# Altium PCB GT502W_V4_GPS_GT101.PcbDoc (part 2 of 2) (continued)
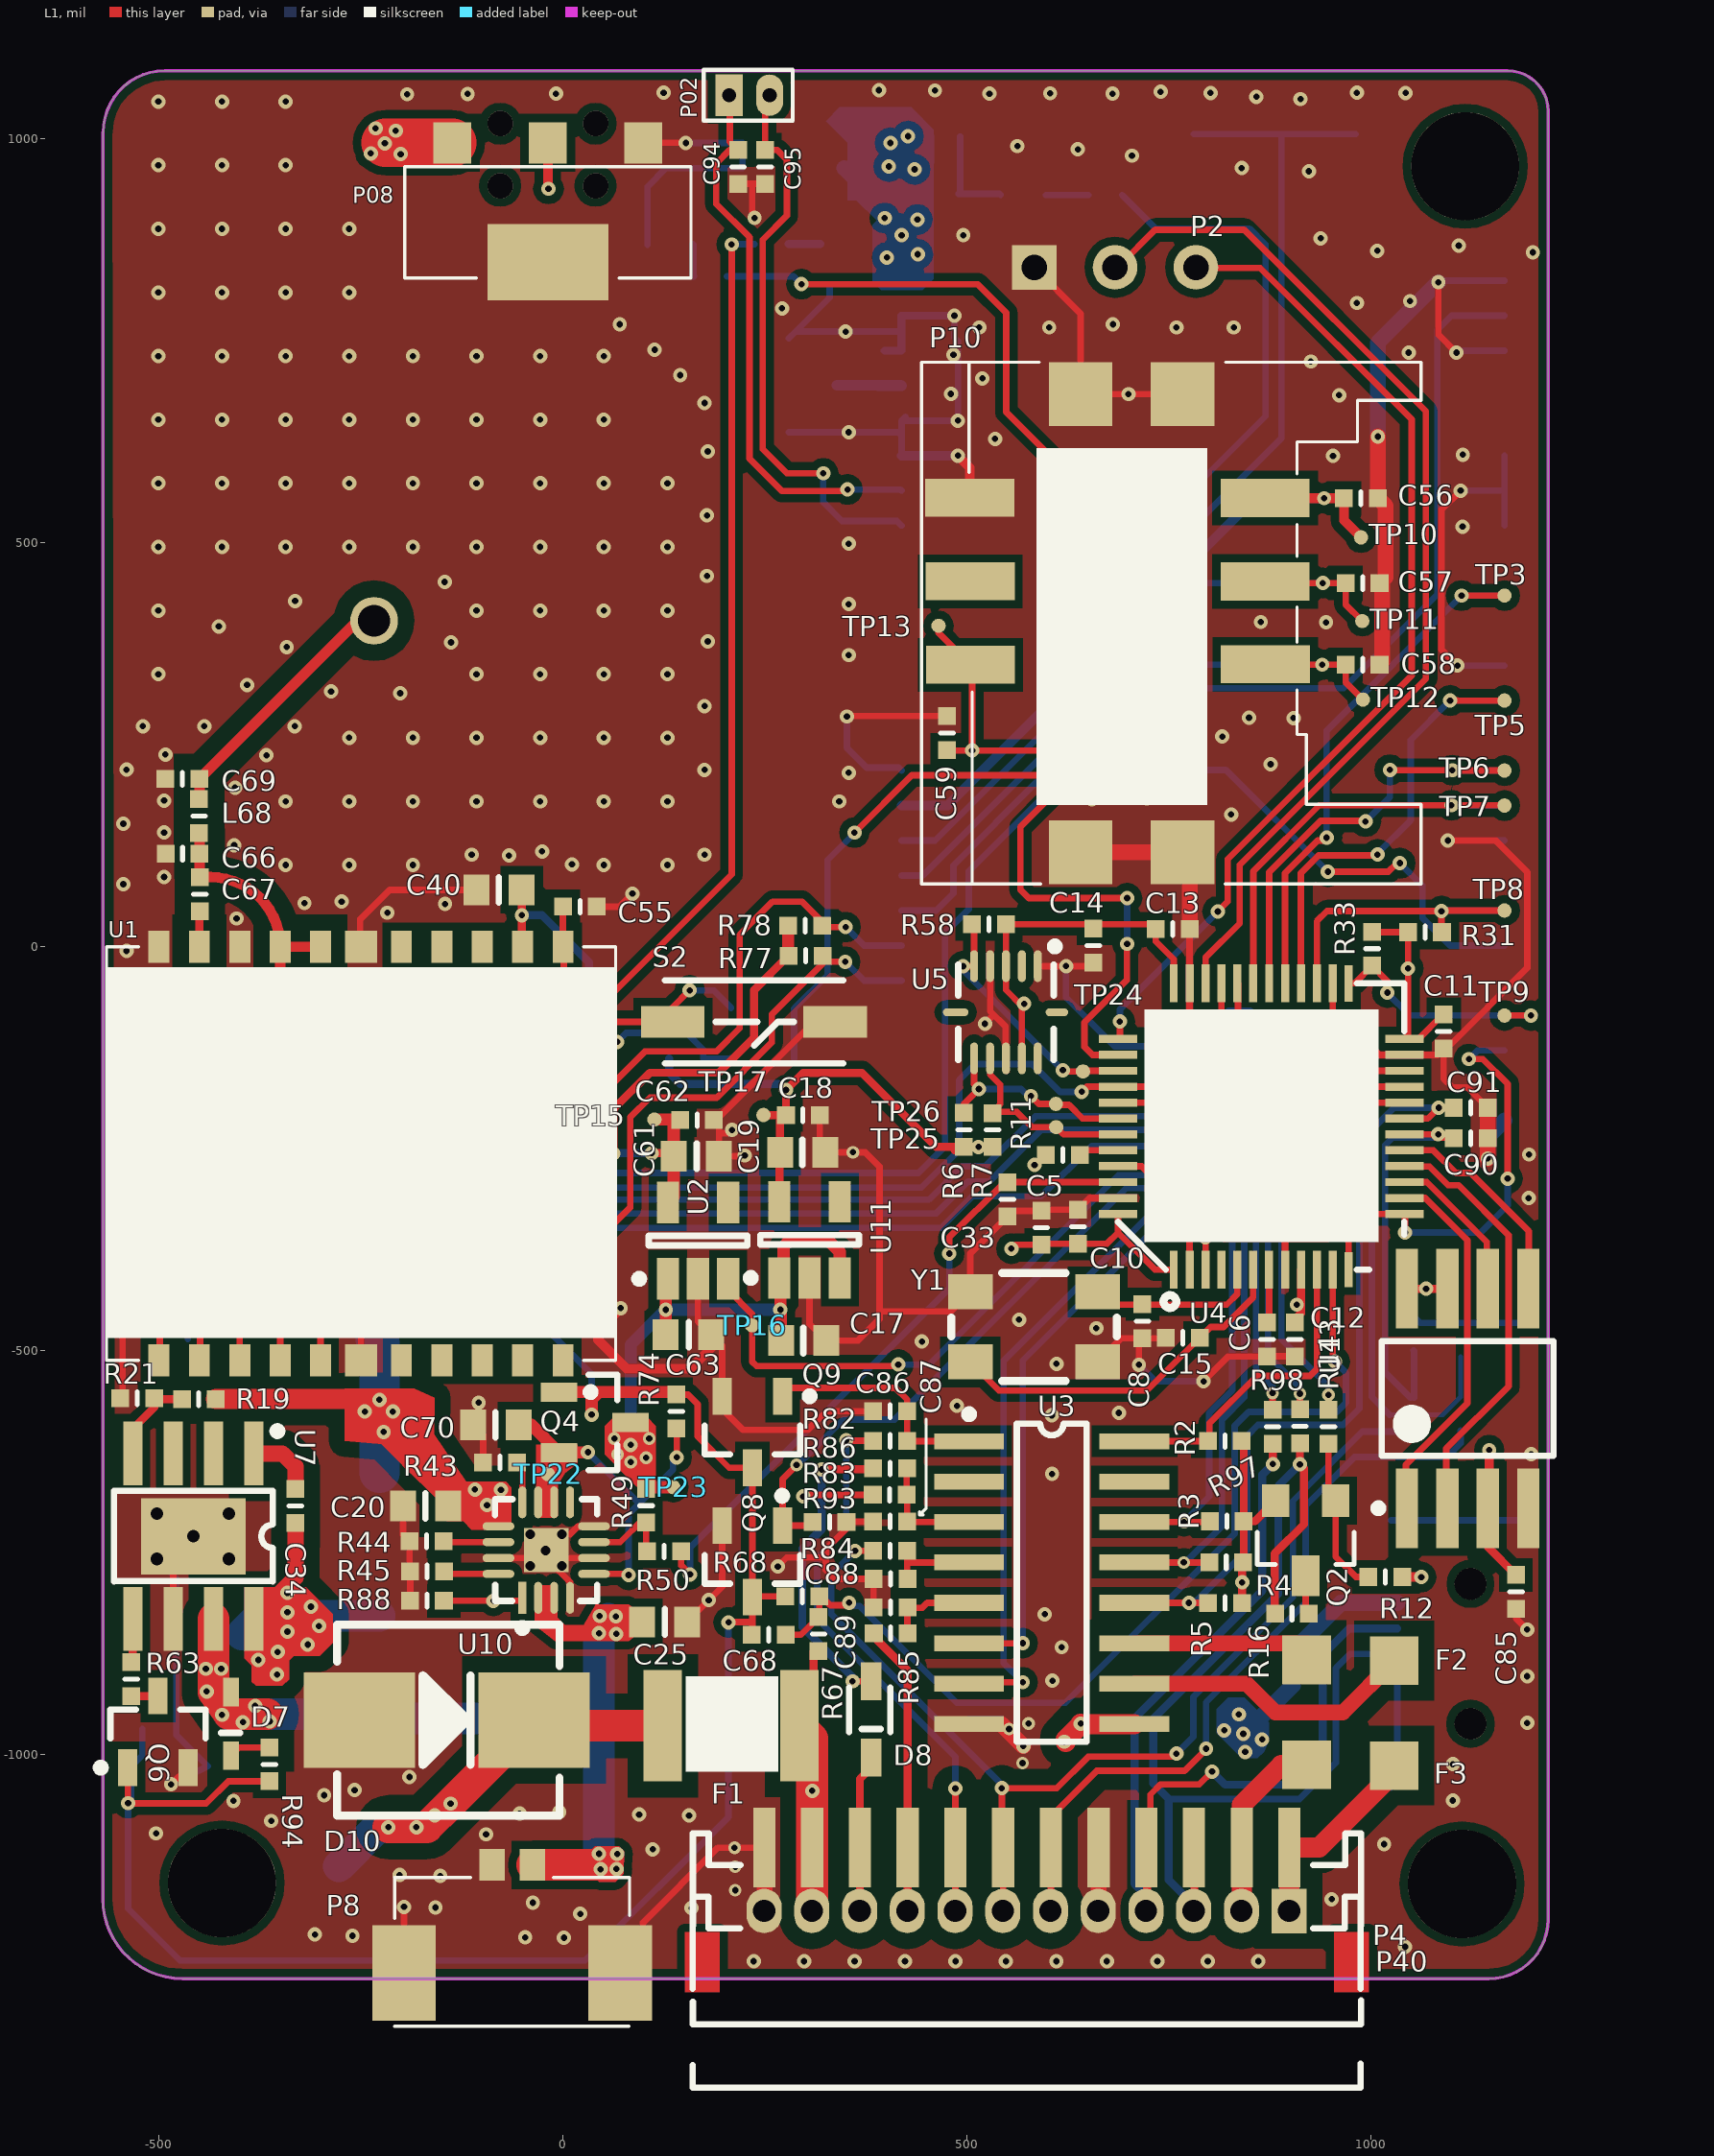
[diagram p0: L1 view]
## Nets (pads, with @x,y where several pads share a name; then routed paths per layer and width w, separated by ;. In a path a pad name is that pad's centre, name@x,y a point inside that pad or via, vN(x,y) a via of type N, cw(c..) or ccw(c..) an arc to the next point about the centre after c; other vN are vias at no path point) (continued)
LOW_IN: D8.2 P4.10 P40.10 | length 195.8
  L1 w10: P40.10@366.93,-1193.31 367.32,-1192.91 P4.10@367.32,-1114.96 367.32,-1029.92 381.5,-1015.75 D8.2@381.5,-1003.54
MIC_BIAS: C94.2 P02.1 U12.44 | length 690.3
  L1 w8: P02.1@206.3,1047.64 206.3,996.2 C94.2@216.54,985.96 205.96,985.96 189.5,969.5 189.5,919.5 230.72,878.28 230.72,604.28 271,564 350,564 351,563 352,564 v1(352,566)
  L4 w8: v1(352,566) 417.46,566 U12.44@418.9,564.57
MIC_GND: C95.2 P02.2 U12.43 | length 698.7
  L1 w8: P02.2@256.3,1047.64 250,1041.34 C95.2@250,986.35 264.65,986.35 277,974 277,905 247,875 247,616 277,586 v1(322,586)
  L4 w8: v1(322,586) 322,550 345,527 413.16,527 U12.43@418.9,521.26
NetC6_1: C6.1 U4.7 | length 66.4
  L1 w8: C6.1@871.26,-464.96 873.72,-462.5 U4.7@873.72,-399.53
NetC34_1: C34.1 U7.1 | length 85.9
  L1 w20: U7.1@-382.48,-627.17 -347.24,-627.17 -331.1,-643.31 C34.1@-331.1,-671.13
NetC34_2: C34.2 D5.2 L1.1 U7.8 | length 320.1
  L1 w20: U7.8@-382.48,-831.89 -331.1,-780.51 C34.2@-331.1,-713.13
  L4 w39.37: D5.2@-397.66,-851.06 -374.55,-827.95 L1.1@-227.17,-827.95
  other v1: -354.05,-900.66 -377.05,-882.66 -353.05,-872.66 -316.05,-863.66 -341.05,-847.66 -302.05,-840.66 -341.05,-823.66 -312.05,-816.66 -341.05,-799.66
NetC67_1: C67.1 U1.19 | length 44.3
  L1 w10: U1.19@-450,0 -450,43.72 C67.1@-449.57,44.15
NetC69_2: C69.2 E3.1 L68.1 | length 322.2
  L1 w13: C69.2@-450.22,207.67 -254.35,403.54 E3.1@-233.86,403.54 ; L68.1@-449.96,183 C69.2@-449.96,207.67
NetC70_2: C70.2 Q4.2 R74.2 TP22.1 U10.5 U10.10 U10.11 | length 441.5
  L1 w7.87: U10.5@38.15,-776.19 79.74,-776.19 v1(81.1,-777.56) ; v1(140.55,-631.89) R74.2@140.55,-596.2
  L1 w15: C70.2@-55.12,-591.73 -39.17,-591.73 Q4.2@-4.92,-625.98 30.32,-625.98 v1(30.71,-625.59)
  L4 w7.87: v1(81.1,-777.56) 81.1,-701.97 94.07,-689 136.22,-646.85 136.22,-631.89 v1@140.16,-631.89
  L4 w8: v1(30.71,-625.59) 94.07,-688.95
NetC86_2: C86.2 Q9.1 R82.1 U3.1 | length 292.2
  L1 w8: Q9.1@271.65,-556.3 281.89,-546.06 411.42,-546.06 425.72,-560.37 C86.2@425.72,-574.8 R82.1@425.72,-611.42 426.32,-612.01 U3.1@502.36,-612.01
NetC87_2: C87.2 R83.1 R86.2 U3.3 | length 142.9
  L1 w8: R86.2@425.59,-645.67 425.33,-645.93 R83.1@425.33,-678.35 425.72,-678.74 C87.2@425.72,-711.42 426.32,-712.01 U3.3@502.36,-712.01
NetC88_2: C88.2 R84.1 U3.4 | length 112.5
  L1 w8: R84.1@425.72,-747.64 425.72,-764.57 ; C88.2@426.12,-782.28 425.72,-781.89 425.72,-764.57 ; U3.4@502.36,-762.01 428.28,-762.01 425.72,-764.57
NetC89_2: C89.2 R85.1 U3.5 | length 111
  L1 w8: R85.1@426.51,-849.61 426.12,-849.21 C89.2@426.12,-817.72 426.51,-818.11 444.49,-818.11 450.59,-812.01 U3.5@502.36,-812.01
NetD2_1: D2.1 R9.1 | length 39.1
  L4 w10: D2.1@160.68,868.9 160.68,830.13 R9.1@160.89,829.92
NetD4_1: D4.1 D10.2 F1.2 | length 535.2
  L1 w39.37: v1(-216.14,-1089.76) v1(-181.5,-1089.76) -168.5,-1089.76 v1(-139.2,-1060.46) D10.2@-35.83,-957.09 ; D10.2@0.59,-981.89 18.3,-964.17 F1.2@123.42,-964.17
  L4 w39.37: D4.1@-277.54,-1138.16 -229.15,-1089.76 v1(-216.14,-1089.76) v1(-181.5,-1089.76) -168.5,-1089.76 v1@-139.74,-1061
  other v1: -158.66,-1075.09
NetD7_1: D7.1 R94.1 | length 51.9
  L1 w7.87: D7.1@-411.02,-1001.18 -400.65,-990.81 R94.1@-363.39,-990.81
NetD8_1: D8.1 R86.1 | length 386.6
  L1 w8: v1(358.27,-909.06) D8.1@381.5,-909.06
  L1 w10: v1@318.5,-646.46 382.8,-646.46 R86.1@383.59,-645.67
  L4 w10: v1(320.08,-646.85) 320.08,-720.87 296.06,-744.88 296.06,-841.73 358.27,-903.94 v1(358.27,-909.06)
NetD9_1: D9.1 R28.2 | length 39.4
  L4 w10: R28.2@278.87,869.69 317.67,869.69 D9.1@318.06,870.08
NetD14_1: D14.1 R35.1 | length 52.2
  L4 w8: D14.1@597.69,930.32 R35.1@649.87,930.32
NetD19_2: D19.2 Q4.1 R74.1 S2.2
NetF2_2: F2.2 U3.11 | length 213
  L1 w19.68: U3.11@707.09,-862.01 F2.2@920.08,-862.01
NetF3_2: F3.2 U3.10 | length 363.1
  L1 w19.68: U3.10@707.09,-912.01 845.87,-912.01 881.5,-947.64 964.96,-947.64 1028.35,-884.25 F3.2@1028.35,-883.43
NetP08_2: P08.2 R88.1 U10.1 | length 2560.3
  L1 w8: R88.1@-147.5,-809.45 -147.44,-809.39 v1(-86.22,-809.39) U10.1@-54.09,-809.39
  L1 w11.81: P08.2@-18.9,995.08 -18.9,938.98 v1(-18.11,938.19)
  L2 w11.81: v1(-86.22,-809.39) -161.48,-809.39 -280.31,-690.55 -280.31,-457.48 -49.61,-226.77 156.69,-226.77 290.95,-92.52 290.95,718.11 116.14,892.92 27.17,892.92 v1(-18.11,938.19)
NetP33_1: P33.1 U12.47 | length 109.8
  L4 w8: U12.47@418.9,694.49 cw(c419.29,694.49) U12.47@419.29,694.88
  L4 w13: P33.1@338.58,694.88 418.5,694.88 U12.47@418.9,694.49 U12.47@390.16,694.49
NetQ2_B: Q2.B R12.1 R14.1 | length 194.1
  L1 w8: R14.1@947.24,-615.16 947.24,-676.77 Q2.B@955.91,-685.43 955.91,-754.72 981.1,-779.92 R12.1@996.46,-779.92
NetQ2_C: Q2.C R16.1 | length 53.3
  L1 w8: R16.1@918.87,-831.73 Q2.C@918.87,-778.43
NetQ6_3: Q6.3 R63.2 | length 33.2
  L1 w10: R63.2@-534.25,-927.56 -501.38,-927.56 Q6.3@-501.18,-927.36
NetR11_2: R11.2 U4.44 | length 49.9
  L1 w8: R11.2@637.07,-252.48 637.66,-251.89 U4.44@686.72,-251.89
NetR19_2: R19.2 R21.2 U7.4 | length 114.4
  L1 w10: U7.4@-532.48,-627.17 -532.48,-596.48 -505.77,-569.77 R21.2@-505.77,-558.66 ccw(c-504.59,-558.66) -504.59,-559.84 R19.2@-471.65,-559.84
NetR28_1: R28.1 U1.3 | length 1834
  L1 w8: U1.3@-400,-511.81 -400,-428 v1(-387,-415) ; v1(-386,-343) -91,-343 -71,-323 -71,-190 208.66,89.66 v1(208.66,869.29)
  L4 w8: v1(-387,-415) v1@-387,-343 ; v1(208.66,869.29) 209.05,869.69 R28.1@236.87,869.69
NetR35_2: R35.2 U12.20 | length 1524.9
  L1 w8: v1(698.43,218.9) 677.56,239.77 677.56,464.96 v1(707.48,494.88) ; v1(946.46,92.91) 1021.26,92.91 v1@1031.1,102.76
  L4 w8: R35.2@691.87,930.32 733.2,888.98 849.21,888.98 869.29,868.9 869.29,656.69 v1(707.48,494.88) ; v1(698.43,218.9) 820.47,218.9 v1(946.46,92.91) ; v1(1035.43,103.54) 1063.39,75.59 1063.39,35.83 1097.64,1.57 U12.20@1164.96,1.57
NetR43_1: R43.1 U10.12 | length 57.8
  L1 w8: R43.1@-61.07,-634.25 -50.43,-644.89 U10.12@-50.43,-687.61
NetR44_1: R44.1 U10.14 | length 67.1
  L1 w8: R44.1@-147.02,-736.82 U10.14@-79.96,-736.82
NetR45_1: R45.1 U10.16 | length 64.2
  L1 w8: R45.1@-144.13,-776.19 U10.16@-79.96,-776.19
NetR49_1: R49.1 R50.2 U10.7 | length 108.5
  L1 w7.87: R49.1@102.76,-712.73 102.76,-746.98 R50.2@104.2,-748.43
  L1 w8: U10.7@38.15,-736.82 70.66,-736.82 R49.1@98.75,-708.73
NetR63_1: R63.1 U7.5 | length 54.4
  L1 w10: R63.1@-534.25,-885.56 -532.48,-883.79 U7.5@-532.48,-831.89
OSC1: C8.2 U4.5 Y1.3 | length 215.2
  L1 w8: Y1.3@661.42,-427.17 669.29,-435.04 675.59,-435.04 683.46,-442.91 821.26,-442.91 834.35,-429.82 U4.5@834.35,-399.53
OSC2: C15.1 U4.6 Y1.1 | length 453.1
  L1 w8: Y1.1@510.24,-513.78 Y1.1@503.94,-513.78 539.37,-549.21 722.57,-549.21 C15.1@787.93,-483.86 801.32,-470.47 817.32,-470.47 854.04,-433.76 U4.6@854.04,-399.53
OUTPUT1: U3.7 U4.45 | length 827.9
  L1 w8: U3.7@502.36,-912.01 504.13,-910.24 v1(568.9,-910.24) ; U4.45@686.72,-271.58 716.07,-271.58 730.71,-286.22 v1(730.71,-319.66)
  L4 w8: v1(568.9,-910.24) 545.28,-886.61 545.28,-512.2 730.71,-326.77 v1(730.71,-319.66)
OUTPUT2: U3.6 U4.21 | length 1114.4
  L1 w8: U3.6@502.36,-862.01 568.31,-862.01 568.5,-861.81 v1(568.9,-861.81) ; v1@743.48,-352.14 743.48,-348.14 752.76,-338.86 752.76,-237.94 817.55,-173.15 884.25,-173.15 ; 857.56,-173.15 884.25,-173.15 ; U4.21@1041.05,-173.15 884.25,-173.15
  L4 w8: v1(568.9,-861.81) 568.9,-512.2 726.44,-354.66 v1(741.95,-354.66)
PW_ON: C31.1 C68.1 D18.1 D19.1 DZ1.2 Q6.1 Q8.3 Q9.3 R68.1 R94.2 S02.1 S02.2 | length 4674.9
  L1 w8: Q6.1@-538.58,-1015.94 -538.58,-1059.45 v1(-538.19,-1059.84) -537.8,-1060.24 -441.73,-1060.24 -414.31,-1032.81 R94.2@-363.39,-1032.81 ; v1(-35.05,-352) -35.05,-184.16 56.2,-92.91 135.83,-92.91 135.83,-74.8 v1(156.69,-53.94) ; 140.16,-554.2 154.59,-554.2 166.54,-566.14 166.54,-605.91 205.51,-644.88 Q9.3@234.25,-644.88 Q8.3@234.25,-804.92 ; v1(204.72,-836.22) 205.12,-835.83 234.25,-835.83 ; C68.1@233.33,-851.57 234.25,-850.65 234.25,-835.83 ; R68.1@275.06,-803.94 235.24,-803.94 Q8.3@234.25,-804.92 ; v1(360.63,141.34) 431.5,212.21 605.91,212.21 634.65,240.95 634.65,346.85 v1(620.08,361.42) ; 234.25,-835.83 Q8.3@234.25,-804.92
  L1 w15: -4.92,-551.18 44.49,-551.18 ; v1(35.43,-579.13) 35.43,-560.24 44.49,-551.18 ; 140.16,-554.2 137.14,-551.18 44.49,-551.18
  L4 w8: C31.1@-520.61,-968.11 -520.61,-1000.53 DZ1.2@-534.25,-1014.17 -534.25,-1055.91 v1(-538.19,-1059.84) -538.19,-1190.55 -474.08,-1254.66 27.23,-1254.66 204.72,-1077.17 204.72,-1002.36 ; v1@-36.05,-352 -36.05,-457.26 35.43,-528.74 v1(35.43,-579.13) ; v1(156.69,-53.94) 186.26,-53.94 207.98,-75.66 ; 204.72,-1064.96 204.72,-1002.36 ; v1(204.72,-836.22) 204.72,-1002.36 ; D18.1@285.83,-138.19 285.83,-76.55 D19.1@286.72,-75.66 327.17,-35.21 327.17,107.09 361.02,140.95 363.39,143.31 362.6,143.31 v1(360.63,141.34) ; v1(620.08,361.42) 620.87,361.42 888.97,629.53 888.97,1005.91 ; S02.1@780.32,1005.91 888.97,1005.91 ; S02.2@981.1,1005.91 888.97,1005.91
PWR_EN: Q8.1 R93.1 U4.2 | length 834.2
  L1 w8: v2(288.98,-641.34) 271.65,-658.66 Q8.1@271.65,-716.34 304.13,-716.34 R93.1@308.66,-711.81 ; v1@767.8,-354.81 775.31,-362.31 U4.2@775.31,-399.53
  L4 w8: v2@289.76,-642.13 346.85,-585.04 410.24,-585.04 696.61,-298.66 748.95,-298.66 767.95,-317.66 v1(767.95,-354.66)
PWR_EN_SENS: D18.2 R81.2 U4.20 | length 1577.5
  L1 w8: v1(-3.05,-354) -3.05,-187.66 v1(66.95,-117.66) ; v1(776.95,-267.66) 777.95,-268.66 777.95,-237.66 822.78,-192.84 U4.20@1041.05,-192.84
  L4 w8: v1(-3.05,-354) -3.05,-353 1.95,-348 467.61,-348 506.95,-308.66 591.95,-308.66 653.95,-246.66 755.95,-246.66 v1(776.95,-267.66) ; v1(66.95,-117.66) 77.95,-106.66 152.95,-106.66 173.34,-127.05 R81.2@173.34,-138.26 207.02,-138.26 D18.2@207.09,-138.19
PWR_INT: C33.1 R50.1 U4.46 | length 820.1
  L1 w8: R50.1@146.2,-748.43 146.2,-765.88 v1(157.09,-776.77) ; v1(477.95,-379.66) 477.95,-359.45 545.8,-291.6 C33.1@550,-291.6 550.34,-291.26 U4.46@686.72,-291.26
  L4 w8: v1(157.09,-776.77) 157.09,-743.7 477.95,-422.83 v1(477.95,-379.66)
SCL: R6.1 TP26.1 U4.42 U5.6 | length 263.8
  L1 w8: R6.1@496.06,-205.51 496.06,-194.49 v1(514.57,-175.98) 508.69,-170.1 U5.6@508.69,-138.1 ; v1(578.95,-184.66) 588.78,-194.49 TP26.1@609.84,-194.49 611.02,-195.67 625.98,-195.67 642.84,-212.52 U4.42@686.72,-212.52
  L4 w8: v1(514.57,-175.98) 566.91,-175.98 v1@577.27,-186.35
SD_MISO: U4.16 U13.2 | length 518.2
  L1 w8: U4.16@1041.05,-271.58 1041.48,-272 1072,-272 1095,-295 1108,-295 1170,-357 1170,-544 1093,-621 U13.2@1093,-679
SD_MOSI: U4.17 U13.5 | length 239.4
  L1 w8: U4.17@1041.05,-251.89 1076.89,-251.89 1105,-280 1123,-280 1195,-352 U13.5@1195,-396
SD_SCK: U4.15 U13.6 | length 150.2
  L1 w8: U4.15@1041.05,-291.26 1068.83,-291.26 1143,-365.43 U13.6@1143,-383
SDA: R7.1 TP25.1 U4.43 U5.7 | length 242.1
  L1 w8: U5.7@528.37,-138.1 528.37,-157.9 540.95,-170.47 540.95,-194.88 531.5,-204.33 561.42,-204.33 580.32,-223.23 TP25.1@610.24,-223.23 619.22,-232.21 U4.43@686.72,-232.21
SENS_VIN: C68.2 R67.2 R68.2 U4.11 | length 1184.5
  L1 w8: C68.2@272.05,-848.29 C68.2@275.33,-851.57 ; C68.2@277.95,-848.95 C68.2@275.33,-851.57 ; R67.2@312.6,-833.33 293.96,-851.57 C68.2@275.33,-851.57 ; R67.2@316.14,-829.39 317.06,-828.47 R68.2@317.06,-803.94 ; R68.2@323.23,-807.48 330.71,-814.96 350.79,-814.96 v1(353.94,-811.81) ; U4.11@952.47,-399.53 952.47,-510.34 955.51,-513.39 v1(955.12,-513.39)
  L4 w8: v1(353.94,-811.81) 357.87,-815.75 366.93,-815.75 487.01,-935.83 621.65,-935.83 831.1,-726.38 831.1,-592.91 848.43,-575.59 957.48,-575.59 968.9,-564.17 968.9,-527.17 v1(955.12,-513.39)
SIM_CLK: C58.2 P10.3 TP12.1 U12.32 | length 890.5
  L1 w8: P10.3@820.76,349.01 892.61,349.01 P10.3@892.76,349.16 ; P10.3@869.04,349.61 869.49,349.16 P10.3@892.76,349.16 ; TP12.1@989.76,305.91 968.35,327.32 C58.2@968.35,349.16 v1(939.37,349.16) P10.3@892.76,349.16
  L4 w8: U12.32@418.9,44.88 461.81,44.88 483.07,66.14 483.07,100.79 586.61,204.33 600.79,204.33 745.61,349.16 v1(939.37,349.16)
SIM_DATA: C59.2 P10.7 TP13.1 U12.33 | length 576.2
  L1 w8: TP13.1@464.57,397.24 464.57,388.66 P10.7@504.22,349.01 ; C59.2@470.61,238.98 C59.2@475.2,243.57 475.85,242.91 v1(506.3,242.91) ; P10.7@503.62,349.61 P10.7@504.22,349.01 ; v1(610.63,250.4) 603.15,242.91 v1(506.3,242.91) ; P10.7@504.22,349.01 506.3,346.93 v1(506.3,242.91)
  L4 w8: U12.33@418.9,88.19 444.88,88.19 v1@608.86,252.17 ; v1@505.91,243.31 v1(506.3,242.91)
SIM_RST: C57.2 P10.2 TP11.1 U12.34 | length 886.3
  L1 w8: P10.2@817.76,455.16 820.76,452.16 P10.2@868.79,452.16 ; TP11.1@988.98,403.15 968.35,423.78 C57.2@968.35,450.16 v1(940.16,450.16) P10.2@892.76,450.16 ; P10.2@868.79,452.16 890.76,452.16 P10.2@892.76,450.16 ; P10.2@868.79,452.16 870.79,450.16 P10.2@892.76,450.16
  L4 w8: U12.34@418.9,131.5 460.24,131.5 778.9,450.16 v1(940.16,450.16)
SIM_VDD: C56.1 P10.1 TP10.1 U12.35 | length 905.3
  L1 w12: P10.1@820.76,555.31 P10.1@868.79,555.31 ; TP10.1@987.4,506.69 966.35,527.75 C56.1@966.35,555.16 v1(941.73,555.16) P10.1@890.76,555.16 ; P10.1@868.79,555.31 890.61,555.31 P10.1@890.76,555.16 ; P10.1@868.79,555.31 868.94,555.16 P10.1@890.76,555.16
  L4 w12: U12.35@418.9,174.8 475.59,174.8 855.95,555.16 v1(941.73,555.16)
SOS: R4.1 S1.3 S1.4 U3.13 U4.40 | length 2352.1
  L1 w8: v1(-337.4,-309.45) -324.41,-322.44 v1(-100.79,-322.44) ; v1(641.73,-179.53) 648.07,-173.19 U4.40@686.72,-173.15 U4.40@686.72,-173.15 747.71,-173.15 755.91,-164.96 v1(777.56,-164.96) ; U3.13@707.09,-762.01 v2(768.11,-762.01) 799.41,-762.01 R4.1@799.61,-761.81
  L4 w8: S1.4@-447.24,-88.98 -447.24,-289.76 -357.09,-289.76 v1(-337.4,-309.45) ; v1(-100.79,-322.44) -76.35,-298 443.61,-298 490.16,-251.46 490.16,-164.96 509.84,-145.27 580.57,-145.27 614.82,-179.53 v1(641.73,-179.53) ; v2@770.08,-762.01 815.35,-716.73 815.35,-585.04 842.91,-557.48 842.91,-195.62 814.76,-167.47 v1@775.05,-167.47
SPK_N: U12.39
SPK_P: U12.38
SWCLK: P2.2 U4.34 | length 1310.2
  L1 w8: P2.2@689.37,844.09 732.68,887.4 842.91,887.4 1067.72,662.6 1067.72,331.89 837.4,101.57 837.4,29.13 794.99,-13.28 U4.34@794.99,-45.2
SWDIO: P2.3 U4.37 | length 1253.2
  L1 w8: U4.37@686.72,-114.1 688.98,-111.84 v1(688.98,-92.52) ; P2.3@791.73,840.16 862.6,840.16 1050,652.76 1050,335.83 822.44,108.27 822.44,55.91 v1(810.24,43.7)
  L4 w8: v1(688.98,-92.52) 688.98,-77.56 v1(810.24,43.7)
UART1_RX: TP7.1 U4.31 U12.16 | length 549.5
  L1 w8: U4.31@854.05,-45.2 854.05,93.42 935.83,175.2 v1(1099.21,175.2) 1164.57,175.2 TP7.1@1164.96,174.8
  L4 w8: v1(1099.21,175.2) 1099.61,174.8 U12.16@1164.96,174.8
UART1_TX: TP6.1 U4.30 U12.15 | length 566.9
  L1 w8: U4.30@873.73,-45.2 873.73,92.23 937.4,155.91 v1@992.91,155.91 ; v1(1023.23,218.9) 1023.62,218.5 v1(1100.39,218.5) 1100.79,218.11 TP6.1@1164.96,218.11
  L4 w8: v1(992.91,155.12) 1023.23,185.43 v1(1023.23,218.9) ; v1(1100.39,218.5) 1100,218.5 1100.39,218.11 U12.15@1164.96,218.11
UART2_TX: TP2.1 U1.5 U4.12 | length 1553.1
  L1 w8: U1.5@-300,-511.81 -300,-448 -290,-438 -116,-438 -98.47,-420.47 v1@-86.22,-420.47 ; v2(808.95,-265.66) 873.54,-265.66 972.16,-364.28 U4.12@972.16,-399.53
  L4 w8: v1@-86.22,-420.47 v1(-86.22,-416) TP2.1@-86.22,-371.65 -86.22,-362.22 -54,-330 461.61,-330 500.95,-290.66 527.84,-290.66 591.84,-226.66 766.95,-226.66 v2@807.45,-267.16
USB_CON: R14.2 U4.26 | length 589.4
  L1 w8: R14.2@947.24,-573.16 v2(947.24,-554.72) ; v7(952.47,-88.47) U4.26@952.47,-45.2
  L4 w8: v2(947.24,-554.72) 947.24,-544.09 889.02,-485.87 889.02,-133.03 933.57,-88.47 v7(952.47,-88.47)
USBDM: R97.1 U4.32 | length 544.1
  L1 w8: U4.32@834.36,-45.2 835.04,-45.88 v1@835.04,-100.39 ; R97.1@877.95,-573.02 v2(877.95,-552.36)
  L4 w8: v1(839.37,-100.39) 857.48,-118.5 857.48,-523.62 877.95,-544.09 v2(877.95,-552.36)
USBDP: R98.1 U4.33 | length 606.4
  L1 w8: U4.33@814.68,-45.2 v1(814.68,-89.09) v1@816.14,-90.55 ; R98.1@911.81,-572.63 v2(911.81,-553.15)
  L4 w8: v1@816.14,-90.55 816.14,-86.22 823.23,-79.13 850.39,-79.13 872.44,-101.18 872.44,-505.91 911.81,-545.28 v2(911.81,-553.15)
V++: C22.1 D4.2 D7.2 U7.7 | length 496.5
  L1 w39.37: U7.7@-432.48,-831.89 -432.48,-922.44 -425.31,-932.56 -415.69,-946.16 -413.21,-949.66 -366.05,-949.66
  L4 w39.37: -413.21,-949.66 -296.9,-949.66 D4.2@-277.54,-969.02 -263.64,-955.12 C22.1@-101.57,-955.12
  other v1: -396.05,-959.66 -363.05,-958.66 -422.05,-950.66 -381.05,-939.66 -441.05,-921.66 -442.05,-893.66 -423.05,-893.66
V_BCKP: C55.2 U1.11 U12.2 | length 2284.2
  L1 w8: C55.2@-0.13,49.61 -0.13,0.13 U1.11@0,0 1,-1 v1(1,-44)
  L4 w8: v1(1,-44) 1,-240.05 40.95,-280 439.61,-280 472.83,-246.78 472.83,17.32 501.97,46.46 501.97,93.7 594.49,186.22 608.66,186.22 742.52,320.08 965.75,320.08 1081.89,436.22 1081.89,763.39 1099.61,781.1 U12.2@1164.96,781.1
VBAT: C25.2 P08.1 P8.2 U10.2 U10.3 | length 3317
  L1 w39.37: v1(-220.47,994.49) v1@-219.88,995.08 ; P8.2@-37.99,-1136.22 v1@46.43,-1136.22
  L1 w60: v1@-219.88,995.08 P08.1@-137.01,995.08
  L2 w59.06: v1(-220.47,994.49) -220.47,924.02 -124.21,827.76 110.04,827.76 242.13,695.67 242.13,-57.09 124.8,-174.41 -69.29,-174.41 -331.5,-436.61 -331.5,-723.62 -174.02,-881.1 3.03,-881.1 44.49,-839.65 55.71,-839.65
  L4 w39.37: v1(44.49,-1122.44) v1(44.49,-849.61) ; 55.71,-839.65 55.91,-831.5
  other v1: 46.46,-1141.73 66.14,-1141.34 66.93,-1122.83 65.75,-850.39 45.28,-828.35 65.35,-828.74 -201,981 -238,982 -207,1010 -232,1013
VCC_RF: C66.2 C67.2 L68.2 P22.1 U1.16 U1.17 | length 427.8
  L1 w13: L68.2@-449.83,141 C66.2@-449.83,115.15 -449.83,86.41 ccw(c-449.57,86.41) C67.2@-449.57,86.15 -436.15,86.15 cw(c-436.15,0) U1.17@-350,0 ; U1.16@-300,0 U1.17@-350,0 ; v6(-288,-96) cw(c-288,-34) -350,-34 U1.17@-350,0
  L4 w13: v6(-288,-96) -288,-134.05 ccw(c-285.04,-134.05) P22.1@-285.04,-137.01
VGPS: C40.2 C61.2 C62.2 R77.2 R78.2 TP15.1 U1.12 U2.5 | length 1077
  L1 w10: C40.2@-51.09,70.47 -51.09,39.09 v1(-51,39) -51,1 U1.12@-50,0 ; v1(62.2,-255.91) 62.2,-201.18 107.48,-155.91 192.52,-155.91 236.61,-111.81 236.61,-53.41 R77.2@279,-11.02 ; v1(109.84,-255.51) 133.37,-255.51 C61.2@136.91,-259.06
  L1 w15: TP15.1@112.99,-213.78 143.96,-213.78 C62.2@144.75,-214.57 136.91,-222.4 C61.2@136.91,-259.06 136.91,-309.12 U2.5@129.61,-316.42 U2.5@129.61,-327.87 ; R78.2@278.61,25.98 278.61,-10.63 R77.2@279,-11.02
  L4 w10: v1(-51,39) -26,39 32,-19 32,-225.7 v1(62.2,-255.91) 62.6,-255.51 v1(109.84,-255.51)
VGSM: C17.1 C48.1 C49.1 C51.2 C53.1 C63.2 Q4.3 R49.2 TP23.1 U2.1 U11.1 U11.3 U12.50 | length 2852.9
  L1 w10: v1(268.9,-449.21) v1@269.69,-450
  L1 w15: Q4.3@83.66,-588.58 v1(83.66,-616.54) v2(83.66,-637.8) 83.66,-641.39 111.09,-668.83 TP23.1@136.61,-668.83 ; C63.2@127.07,-479.92 v1(127.07,-449.21) 127.07,-413.45 U2.1@129.61,-410.91 ; v1(268.9,-449.21) 268.9,-411.13 U11.1@267.61,-409.84 272.83,-404.62 272.83,-370.87 279.13,-364.57 329.13,-364.57 342.42,-377.85 U11.3@342.42,-409.84 U11.3@342.52,-409.94 ; C17.1@269.69,-487.4 v1@269.69,-450
  L2 w59.06: v1(83.66,-616.54) 83.66,-601.77 119.29,-566.14 252.36,-566.14 418.9,-399.61 v1(418.9,880.71) 418.9,990.55
  L4 w15: v1(83.66,-616.54) 83.66,-492.62 v1(127.07,-449.21) v1(268.9,-449.21)
  L4 w19.68: C53.1@348.03,963.78 379.92,931.89 414.96,931.89 C51.2@433.37,931.89 433.37,955.02 C48.1@449.61,971.26 449.47,971.39 C49.1@449.47,1002.76
  L4 w20: 414.96,931.89 418.9,927.95 v1(418.9,880.71) U12.50@418.9,824.41
  other v1: 400.79,853.15 438.98,857.09 438.58,900 398.03,901.97 435.04,962.21 403.15,965.75 405.12,994.88 426.77,1003.15
  other v2: 102.76,-632.28 67.32,-628.35 63.39,-608.66 106.69,-608.66
VIN: F1.1 P4.11 P40.11 R67.1 U3.9 | length 918.9
  L1 w10: F1.1@292.52,-964.17 309.84,-941.73 R67.1@309.84,-872.57
  L1 w25: v1@622.05,-983.86 622.05,-981.1 v1@641.14,-962.01 ; v1(640.55,-961.42) v1@641.14,-962.01 ; U3.9@707.09,-962.01 v1@641.14,-962.01
  L1 w39.37: F1.1@292.52,-964.17 308.27,-979.92 v1(308.27,-1044.49) P4.11@308.27,-1114.96 308.27,-1192.91 P40.11@307.87,-1193.31
  L2 w19.68: v1(308.27,-1044.49) 308.27,-1048.03 378.35,-1118.11 551.18,-1118.11 640.55,-1028.74 640.55,-1004.72 v1@618.9,-983.07 ; v1(640.55,-961.42) v1@618.9,-983.07 ; v1@618.9,-983.07 618.5,-982.68 618.5,-983.46 v1@618.9,-983.07
  other v1: 620.47,-983.86
pads on no net: P6.10 P6.11 P10.6 U1.6 U1.7 U1.8 U1.9 U1.10 U1.13 U1.14 U1.15 U2.4 U3.2 U3.15 U4.4 U5.2 U5.10 U5.11 U5.12 U7.2 U7.3 U10.9 U11.4 U12.4 U12.5 U12.9 U12.14 U12.18 U12.21 U12.26 U12.27 U12.28 U12.29 U12.37 U12.40 U12.41 U12.42
copper on no net:
  other v5: -77.95,941.93 40.16,941.93 -77.95,1018.7 40.16,1018.7

## Polygon pours and split planes (outlines as drawn)
GND on L1 "L1_GND" (solid, pour order 1003): -569.54,-1178.56 -569.54,1008.17 -569.01,1008.17 cw(c-492.93,1008.17) -492.93,1084.25 1168.9,1084.25 cw(c1168.9,1034.25) 1218.9,1034.25 1218.9,-1203.95 cw(c1145.67,-1203.95) 1145.67,-1277.17 -471.1,-1277.17 -471.1,-1276.99 cw(c-471.1,-1178.56)
GND on L2 "L2_GND" (solid, pour order 1002): -569.54,-1178.56 -569.54,1008.17 -569.01,1008.17 cw(c-492.93,1008.17) -492.93,1084.25 1168.9,1084.25 cw(c1168.9,1034.25) 1218.9,1034.25 1218.9,-1203.95 cw(c1145.67,-1203.95) 1145.67,-1277.17 -471.1,-1277.17 -471.1,-1276.99 cw(c-471.1,-1178.56)
GND on L3 "L3_GND" (solid, pour order 1001): -569.54,-1178.56 -569.54,1008.17 -569.01,1008.17 cw(c-492.93,1008.17) -492.93,1084.25 1168.9,1084.25 cw(c1168.9,1034.25) 1218.9,1034.25 1218.9,-1203.95 cw(c1145.67,-1203.95) 1145.67,-1277.17 -471.1,-1277.17 -471.1,-1276.99 cw(c-471.1,-1178.56)
GND on L4 "L4_GND" (solid, pour order 1000): -569.54,-1178.56 -569.54,1008.17 -569.01,1008.17 cw(c-492.93,1008.17) -492.93,1084.25 1168.9,1084.25 cw(c1168.9,1034.25) 1218.9,1034.25 1218.9,-1203.95 cw(c1145.67,-1203.95) 1145.67,-1277.17 -471.1,-1277.17 -471.1,-1276.99 cw(c-471.1,-1178.56)

## Keep-outs
Keep-Out Layer:
  lines w3.94: -569.54,1008.17 -569.54,-1178.56 ccw(c-471.1,-1178.56) -471.1,-1276.99 ; -569.01,1008.17 cw(c-492.93,1008.17) -492.93,1084.25 1168.9,1084.25 cw(c1168.9,1034.25) 1218.9,1034.25 1218.9,-1203.95 cw(c1145.67,-1203.95) 1145.67,-1277.17 -471.1,-1277.17

## Other copper
L1:
  region net NetC34_2: -394.05,-792.66 -394.05,-880.66 -385.05,-889.66 -385.05,-909.66 -380.05,-914.66 -347.05,-914.66 -339.05,-906.66 -339.05,-883.66 -333.05,-877.66 -301.05,-877.66 -285.05,-861.66 -285.05,-825.66 -318.05,-792.66
  region net VGSM: 90.95,-667.72 51.58,-628.35 51.58,-592.91 63.39,-581.1 65.03,-582.75 104.4,-582.75 114.57,-592.91 114.57,-665.35 111.09,-668.83
  region net NetC70_2: 18.11,-616.14 -33.07,-616.14 -33.07,-702.76 -31.5,-706.69 -8.66,-706.69 -6.3,-704.33 -6.3,-665.75 2.36,-651.57 18.11,-639.76
  region net 5V: -64.11,-721.21 -113.11,-721.21 -123.11,-711.21 -143.7,-711.02 -157.48,-681.5 -195.28,-645.28 -222.83,-615.75 -270.08,-611.42 -270,-547 -184,-547 -159,-558 -159.84,-603.15 -120.08,-662.2 -70.47,-662.2 -64.17,-669.29
  region net VBAT: -7.11,-790.21 -34.11,-790.21 -35.11,-791.21 -35.04,-839.37 -9.84,-859.45 81.1,-859.45 86.61,-855.12 86.61,-818.11 81.5,-813.78 40.55,-813.78 25.59,-839.37 1.89,-839.21 -7.11,-830.21
  region net VBAT: 75.2,-1119.29 69.29,-1113.39 39.37,-1113.39 34.65,-1118.11 34.65,-1146.85 44.79,-1156.99 65.05,-1156.99 74.8,-1147.24
L4:
  region net NetC34_2: -394.05,-792.66 -394.05,-880.66 -385.05,-889.66 -385.05,-909.66 -380.05,-914.66 -347.05,-914.66 -339.05,-906.66 -339.05,-883.66 -333.05,-877.66 -301.05,-877.66 -285.05,-861.66 -285.05,-825.66 -318.05,-792.66
  region net 5V: 873.62,-981.89 873.62,-959.84 843.31,-929.53 822.84,-929.53 808.66,-943.7 808.66,-973.23 839.77,-1004.33 859.45,-1004.33 867.72,-996.06
  region net VGSM: 458.66,1011.42 431.1,1038.98 342.13,1038.98 325.2,1022.05 352.36,994.88 352.36,924.02 362.99,924.02 388.19,898.82 383.07,893.7 383.07,823.23 393.7,812.6 444.88,812.6 458.66,826.38
  region net VBAT: 75.2,-1119.29 69.29,-1113.39 39.37,-1113.39 34.65,-1118.11 34.65,-1146.85 44.79,-1156.99 65.05,-1156.99 74.8,-1147.24

## Silkscreen, mask and mechanical layers (free items; w line width, h text height)
Top Overlay:
  rectangle: 585.95,175.34 796.95,617.34
  rectangle: 719.69,-365.32 1009.06,-77.63
  rectangle: -565.91,-484 64.96,-25
  lines w3.94: 441.34,-699.21 441.34,-703.15 ; 445.28,-703.15 441.34,-703.15 ; 449.21,-585.04 449.21,-695.28 441.34,-703.15 ; 502.36,587.01 502.36,723.42 ; 506.3,77.75 506.3,315.15
Bottom Overlay:
  rectangle: -340.23,-787.66 -109.06,-689.66
  rectangle: 469.09,-289.33 1110.67,897.24
  text "GPS" at 609.45,1042.13 h25
  text "GSM" at 361.42,1034.25 h25
  text "MCU" at 160.63,1030.32 h25
  text "GSM ANT" at 298,432 h25 r270
  text "GPS ANT" at -63,-61 h25
Mechanical 15:
  lines w7.87: -508.27,-1066.13 -508.27,1059.85 1035.04,1059.85 1035.04,-1066.13 -508.27,-1066.13